# Altium PCB nPOC-BB_beta_main-board.PcbDoc (part 3 of 3) (continued)
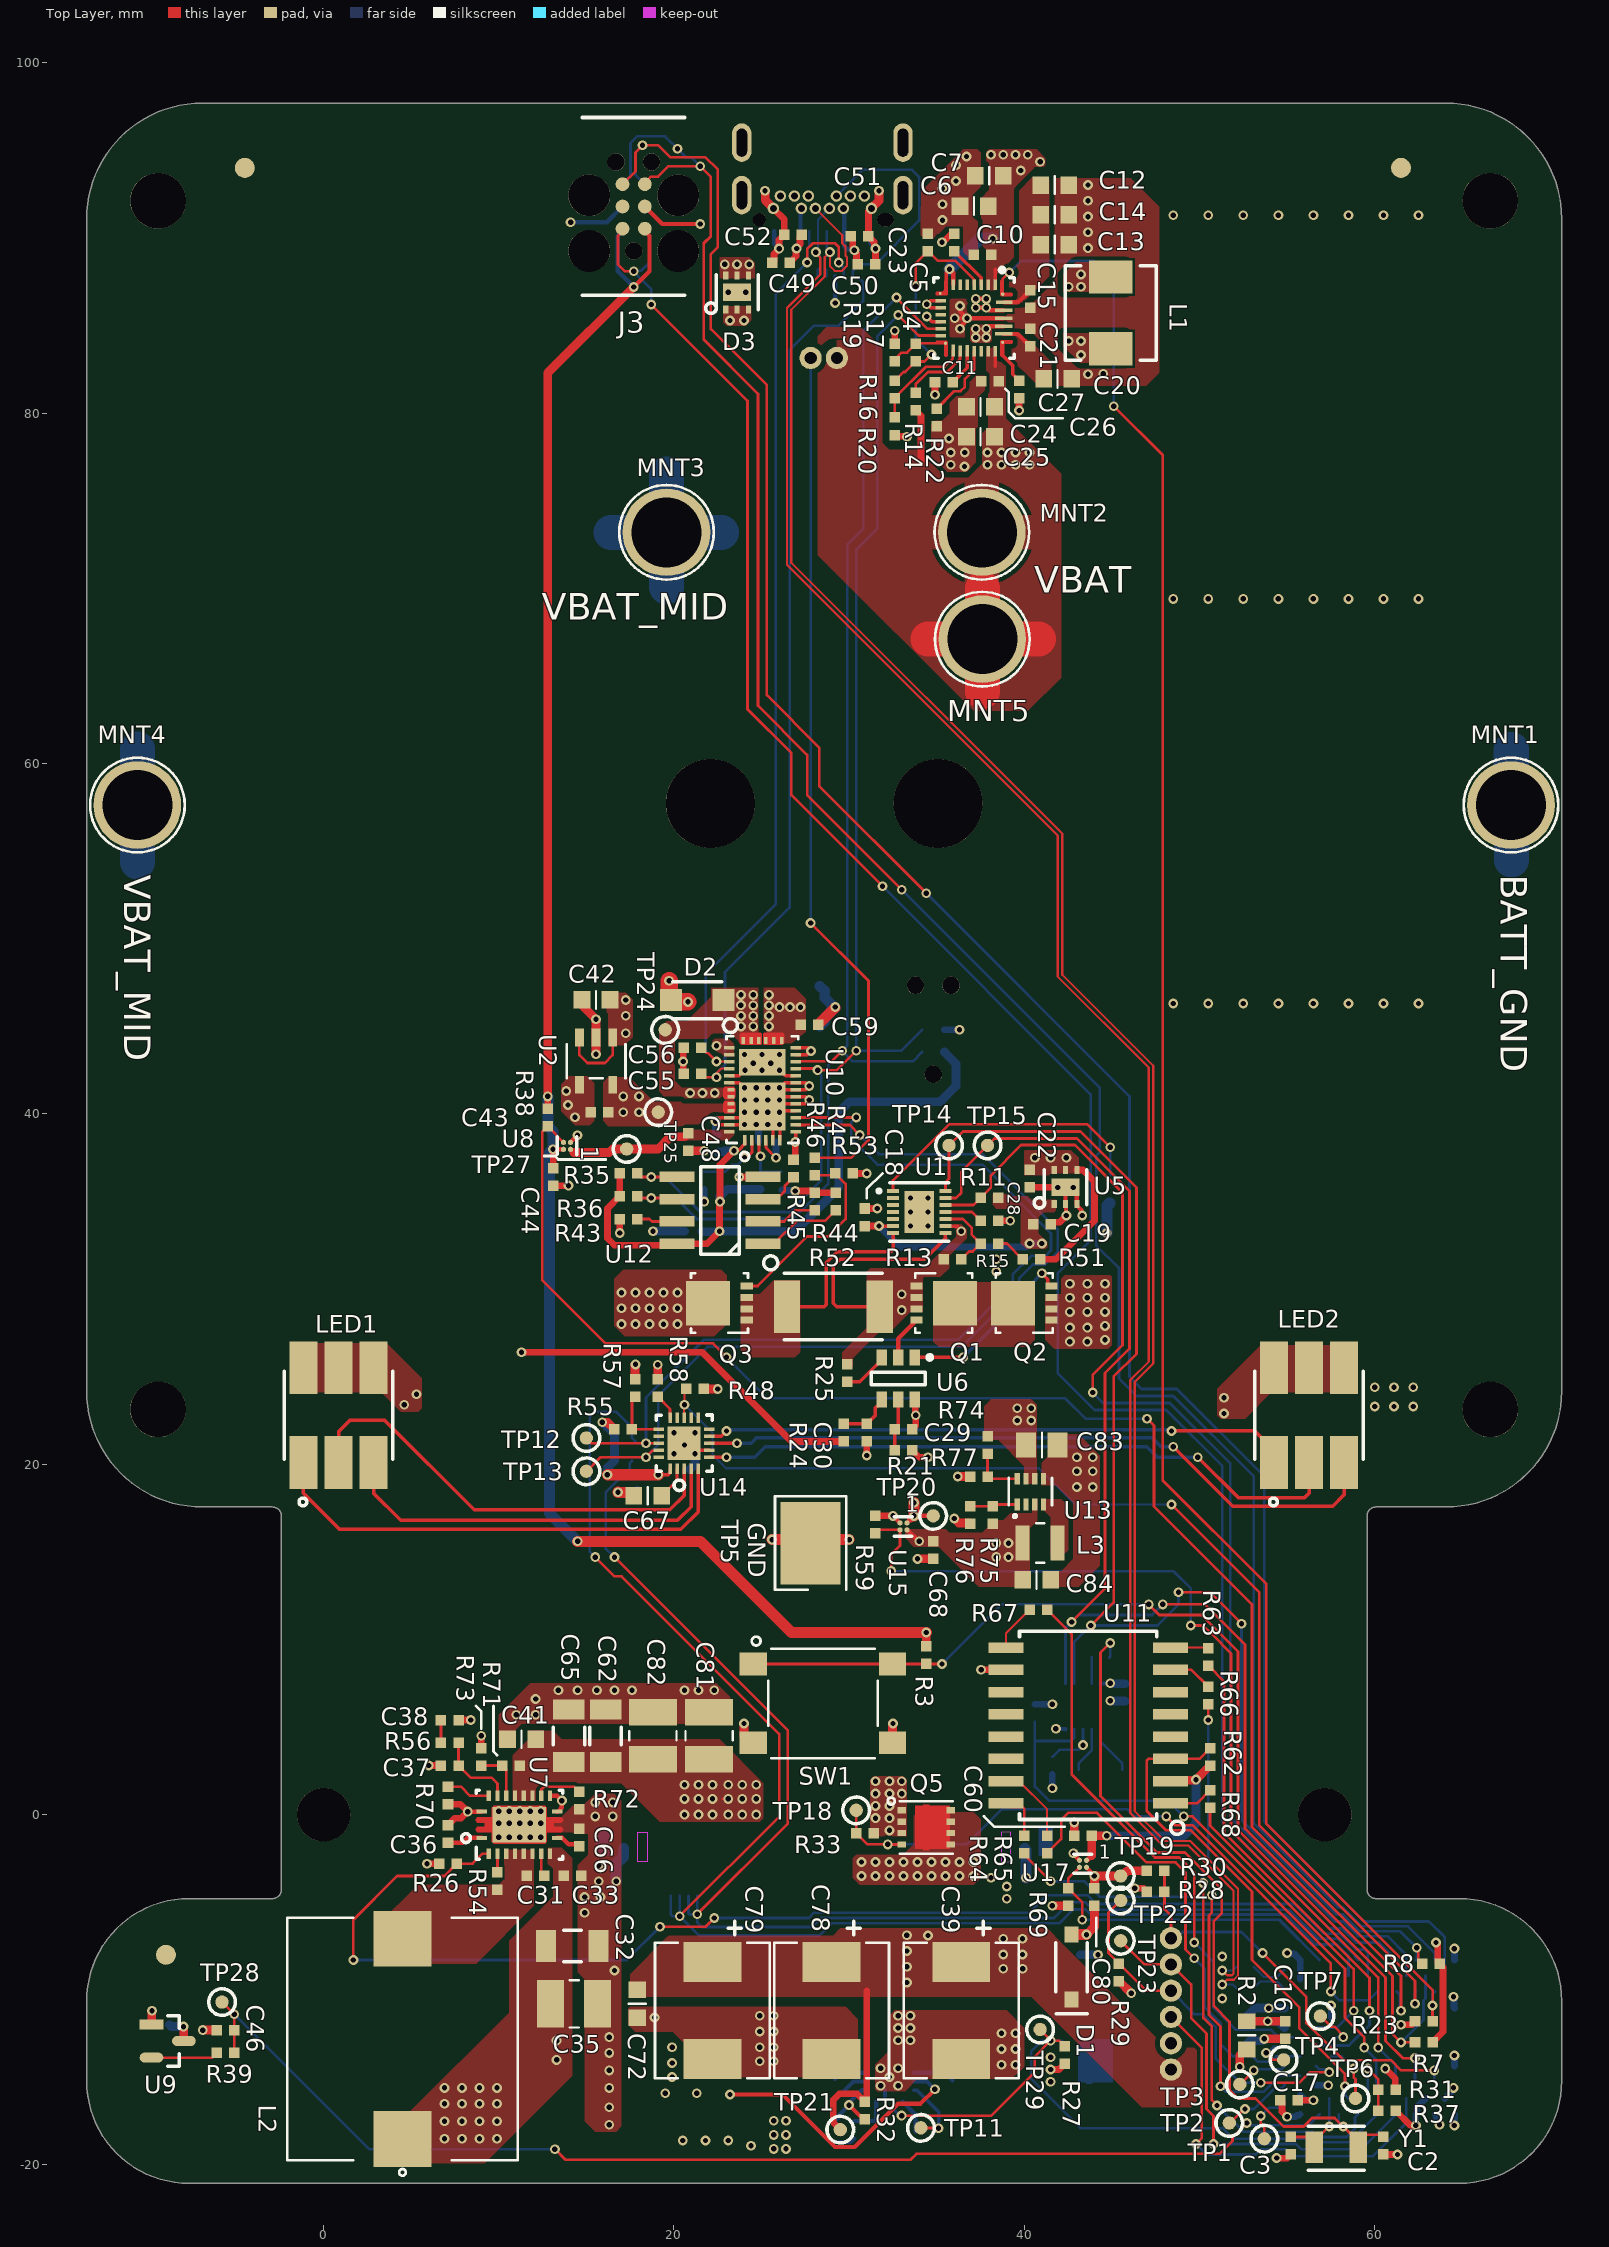
[diagram p0: Top Layer view]
## Nets (pads, with @x,y where several pads share a name; then routed paths per layer and width w, separated by ;. In a path a pad name is that pad's centre, name@x,y a point inside that pad or via, vN(x,y) a via of type N, cw(c..) or ccw(c..) an arc to the next point about the centre after c; other vN are vias at no path point) (continued)
  Bottom Layer w0.152: v1(22.423,42.095) 22.5,42.173 22.5,42.401 22.605,42.505 22.63,42.505 22.913,42.788 22.913,48.087 26.6,51.775 26.6,83.6 28,85 29.4,85 30.8,86.4 30.8,87.493 30.6,87.694 30.2,87.694 D4.5@30.2,87.794 30.2,88.094 30.6,88.494 31.5,88.494 34,90.994 34,93.494 33.6,93.894 30.77,93.894 J7.B5@29.27,92.394
USB_D_N: D4.2 J7.A7 J7.B7 R10.1 | length 122.4
  Top Layer w0.127: J7.B7@28.07,91.694 29.6,90.163 29.6,89.7 29.787,89.513 29.787,88.998 29.869,88.915 29.869,88.399 29.594,88.124 29.176,88.124 28.9,88.4 v1(28.9,89.194) 28.607,88.901 28.607,87.807 28.458,87.658 26.7,85.9 26.7,71.459 42.015,56.145 42.163,55.996 42.163,47.942 47.354,42.751 47.354,25.754 46.3,24.7 46.3,0.2 48.009,-1.509 49.469,-1.509 52.195,-4.236 52.195,-9.191 51.959,-9.427 51.573,-9.427 v1(51.3,-9.7)
  Bottom Layer w0.127: D4.2@28.7,87.819 28.7,88.194 28.597,88.297 28.597,88.891 v1(28.9,89.194) 28.72,89.374 J7.A7@28.72,90.384 ; v1(51.3,-9.7) 51.9,-9.7 R10.1@52.1,-9.9
USB_D_P: D4.1 J7.A6 J7.B6 R9.1 | length 117.5
  Top Layer w0.127: v1(28.1,89.194) 28.1,89.138 28.353,88.885 28.353,87.912 26.446,86.005 26.446,71.354 41.909,55.891 41.909,47.837 47.1,42.646 47.1,25.859 46.046,24.805 46.046,0.095 47.904,-1.763 49.363,-1.763 51.941,-4.341 51.941,-9.086 51.854,-9.173 51.573,-9.173 v1(51.3,-8.9)
  Bottom Layer w0.127: D4.1@28.2,87.819 28.2,88.194 28.343,88.337 28.343,88.951 v1(28.1,89.194) 28.22,89.314 J7.A6@28.22,90.384 28.22,91.044 J7.B6@28.87,91.694 ; v1(51.3,-8.9) 51.9,-8.9 R9.1@52.1,-8.7
USB_D_R_N: MD1.67 R10.2 | length 2.1
  Bottom Layer w0.127: R10.2@53.1,-9.9 53.473,-9.527 54.427,-9.527 MD1.67@54.85,-9.95
USB_D_R_P: MD1.68 R9.2 | length 2.2
  Bottom Layer w0.127: R9.2@53.1,-8.7 53.673,-9.273 54.427,-9.273 MD1.68@54.85,-8.85
VBAT: C22.2 C24.2 C25.2 C26.2 C32.2 C33.1 C34.1 C35.2 C69.2 C74.2 C83.2 C85.2 J9.1 L2.1 L4.1 MNT2.1 MNT5.1 R14.1 R21.1 R51.2 R74.2 U4.22 U4.23 U5.4 U5.5 U5.6 U7.9 U13.6 U13.7 U16.3 | length 53.7
  Top Layer w0.2: 38.331,82.685 U4.23@38.331,83.522
  Top Layer w0.24: v1(23.195,-15.98) 26.195,-15.98 29.195,-18.98 30.32,-18.98 32.8,-16.5 34.076,-16.5 v1(34.895,-15.68)
  Top Layer w0.381: v1@6.9,-15.7 v1(6.9,-15.6) ; R21.1@33.6,20.8 34,20.4 v1(34.5,20.4) ; R14.1@33.8,80.154 34.1,79.854 34.1,77.291 ; R51.2@40.9,31.7 41.8,31.7 44,33.9 44,36.15 43.35,36.8 U5.4@43,36.8
  Top Layer w2: 34.5,67.1 MNT5.1@37.6,67.1 ; MNT2.1@37.575,73.175 MNT2.1@37.575,73.2 ; 37.6,64.1 MNT5.1@37.6,67.1 ; 37.6,70 MNT5.1@37.6,67.1 ; 40.8,67.1 MNT5.1@37.6,67.1
  Layer 3 w2: 34.3,67.1 MNT5.1@37.6,67.1 ; MNT2.1@37.395,73.2 MNT2.1@37.395,73.305 ; 37.6,63.9 MNT5.1@37.6,67.1 ; 37.6,70.4 MNT5.1@37.6,67.1 ; 40.9,67.1 MNT5.1@37.6,67.1
  Bottom Layer w0.24: U16.3@33.695,-15.23 34.445,-15.23 v1(34.895,-15.68)
  Bottom Layer w0.381: v1(13.3,-12.9) v1@13.3,-12.8
  other v1: 6.9,-18.5 7.9,-18.5 8.9,-18.5 9.9,-18.5 6.9,-17.5 7.9,-17.5 8.9,-17.5 9.9,-17.5 6.9,-16.5 7.9,-16.5 8.9,-16.5 9.9,-16.5 19.5,-15.9 21.3,-15.9 7.9,-15.6 8.9,-15.6 9.9,-15.6 19.895,-14.98 19.895,-14.18 13.3,-14 19.895,-13.28 39.6,22.5 40.4,22.5 39.6,23.2 40.4,23.2 40.6,37.5 41.5,37.5 42.4,37.5 37.9,77.054 38.7,77.054 39.5,77.054 40.3,77.054 37.9,77.754 38.7,77.754 39.5,77.754 40.3,77.754
VBAT_MID: MNT3.1 MNT4.1 R24.1 SC4.1 SC5.1 SC6.1 | length 39.7
  Top Layer w0.381: v1(11.3,26.4) 21.6,26.4 26.7,21.3 R24.1@29.7,21.3
  Bottom Layer w2: -10.63,54.37 MNT4.1@-10.63,57.63 -10.63,60.83 ; 16.4,73.2 MNT3.1@19.575,73.2 ; 19.575,70.075 MNT3.1@19.575,73.2 ; 19.575,76.525 MNT3.1@19.575,73.2 ; 22.7,73.2 MNT3.1@19.575,73.2
VBUS: C42.2 C49.2 C50.2 C51.2 C52.2 D2.K D3.4 D3.5 D3.6 J7.A4 J7.A9 J7.B4 J7.B9 TP24.1 U2.1 U2.3 U10.23 U10.24 U10.25 U10.32 U10.33 | length 13.2
  Top Layer w0.152: U2.3@14.601,44.359 14.601,43.356 15.051,42.906 16.051,42.906 16.501,43.356 U2.1@16.501,44.359
  Top Layer w0.381: C49.2@26.6,88.594 26.966,88.96 26.966,89.366 v1(27,89.4) 27,89.448 27.19,89.638 27.19,90.084 C52.2@27.3,90.194 ; C51.2@30.1,90.094 30.209,89.984 30.209,89.439 30.3,89.348 30.3,89.252 30.414,89.138 30.414,88.586 C50.2@30.5,88.5
  Bottom Layer w0.25: v1(27,89.4) 27,89.484 27.195,89.678 27.195,90.359 J7.A4@27.22,90.384 27.22,91.644 J7.B9@27.27,91.694 ; J7.B4@29.67,91.694 29.72,91.644 J7.A9@29.72,90.384 29.72,89.523 29.883,89.359 30.241,89.359 v1(30.3,89.3)
  other v1: 20.922,41.195 21.622,41.195 22.322,41.195 17.251,44.606 23.822,44.995 24.522,44.995 17.251,45.606 23.822,45.595 24.522,45.595 24.522,46.195 23.819,46.211 17.251,46.506 23.822,46.795 24.522,46.795 22.9,88.494 23.6,88.494 24.3,88.494
VBUS_DETECT: MD1.10 R31.1 R37.2 | length 4.3
  Top Layer w0.152: v1(59.6,-14.5) 60.2,-15.1 R31.1@60.2,-15.7 R37.2@60.2,-16.9
  Bottom Layer w0.152: MD1.10@59.6,-16.2 v1(59.6,-14.5)
VCC_MOTOR: C39.1 C40.2 C70.2 C71.2 C72.2 C78.1 C79.1 D1.K D7.K J1.6 R32.2 TP21.1 | length 10.6
  Top Layer w0.381: TP21.1@29.495,-17.98 29.495,-17.967 29.095,-17.567 29.095,-16.28 29.445,-15.93 30.445,-15.93 R32.2@30.895,-16.38 31.005,-16.271 31.005,-10.072 ; v1(38.795,-7.98) v1@38.795,-7.88 ; v1(39.895,-7.98) v1@39.895,-7.88
  other v1: 33.295,-9.58 38.8,-8.8 39.9,-8.8 33.295,-8.68 33.295,-7.78 38.795,-7.08 39.895,-7.08 34.5,-6.9 33.295,-6.88
VSYS: C20.2 C21.2 U4.25 | length 1.8
  Top Layer w0.25: U4.25@38.831,84.522 39.631,84.522 C21.2@40.331,83.822
WP: R43.2 U12.7 | length 2.3
  Top Layer w0.152: R43.2@17.9,34 18.607,34 18.747,33.86 U12.7@20.172,33.86
XTAL1: C3.2 MD1.14 Y1.2 | length 4.9
  Top Layer w0.152: C3.2@55.2,-18.4 56.126,-18.4 56.55,-18.824 Y1.2@56.55,-19 56.55,-18.6 56.974,-18.176 57.024,-18.176 v1(57.4,-17.8)
  Bottom Layer w0.152: v1(57.4,-17.8) MD1.14@57.4,-16.2
pads on no net: D4.6 D4.7 D4.9 D4.10 J3.4 J3.11 J3.12 J3.15 J3.16 J3.mh1 J3.mh2 J3.mh3 J4.4 J4.11 J4.12 J4.15 J4.16 J4.mh1 J4.mh2 J4.mh3 J7.17 J7.18 J7.A2 J7.A3 J7.A8 J7.A10 J7.A11 J7.B2 J7.B3 J7.B8 J7.B10 J7.B11 J8.5 J8.6 J8.mh1 J8.mh2 J8.mh3 MD1.8 MD1.25 MD1.26 MD1.27 MD1.28 MD1.32 MD1.33 MD1.37 MD1.38 MD1.52 MD1.56 U1.2 U1.3 U1.4 U1.5 U3.8 U3.11 U4.6 U4.7 U4.12 U4.21 U11.4 U11.5 U11.6 U11.11 U11.12 U11.13 U11.14 U13.2 U14.10 U14.11 U14.12 U14.14 U14.17 U14.20

## Polygon pours and split planes (outlines as drawn)
VBAT on Top Layer "NONET_L-01_P-001" (solid, remove dead copper, pour order 239): 14.2,-14.9 9.2,-19.9 3,-19.9 3,-17 4.9,-17 10.6,-11.3 10.6,-7.2 13.1,-4.7 13.1,-3.1 12.8,-2.8 12.8,-1.9 13.6,-1.9 14.2,-2.5
GND on Top Layer "NONET_L-01_P-001" (solid, remove dead copper, pour order 118): 33.3,-1.229 31.2,-1.229 31.2,2 31.4,2.2 33.1,2.2 33.3,2
VBAT on Top Layer "NONET_L-01_P-001" (solid, remove dead copper, pour order 223): 43.1,36.6 41.5,36.6 41.4,36.5 40,36.5 40,37.9 40.1,38 42.6,38 43.1,37.5
3V3_FG_RTC on Top Layer "NONET_L-01_P-001" (solid, remove dead copper, pour order 224): 40.8,33.2 41.3,32.7 41.3,32.4 41.2,32.3 40.1,32.3 39.8,32.6 39.8,34.5 39.7,34.6 38.4,34.6 38.2,34.8 38.2,35.4 39.2,35.4 39.3,35.3 40.2,35.3 40.4,35.1 41.8,35.1 41.8,34.5 41.7,34.4 41.1,34.4 40.8,34.1
BATT_GND on Top Layer "NONET_L-01_P-001" (solid, remove dead copper, pour order 244): 43.2,30.8 42.3,30.8 42.1,30.6 42.1,29.7 41.2,29.7 41.2,27.1 41.7,26.6 44.8,26.6 45,26.8 45,30.7 44.9,30.8
GND on Top Layer "NONET_L-01_P-001" (solid, remove dead copper, pour order 218): 23,28 22.3,27.3 17.2,27.3 16.6,27.9 16.6,30.6 17.1,31.1 22.7,31.1 23,30.8
GND on Top Layer "NONET_L-01_P-001" (solid, remove dead copper, pour order 243): 11.8,7.5 10,5.7 10,3.9 10.9,3.9 10.9,4.8 11.3,5.2 23.2,5.2 23.2,6.7 22.4,7.5
GND on Top Layer "NONET_L-01_P-001" (solid, remove dead copper, pour order 241): 17,0.2 17,0.8 16.6,1.2 15.5,1.2 14.8,0.5 14.227,0.5 13.574,-0.153 12.749,-0.153 12.749,-1.003 12.752,-1 14.2,-1 14.3,-1.1 15.1,-1.1 15.1,-2.3 14.4,-3 14.4,-8.9 14.9,-9.4 14.9,-17.5 15.5,-18.1 16.7,-18.1 17,-17.8
HEATER_PWR on Top Layer "NONET_L-01_P-001" (solid, remove dead copper, pour order 212): 11.7,4.8 11.7,4.3 10.8,3.4 10.8,0.8 12.1,0.8 12.1,1.5 12.4,1.8 17,1.8 19.2,-0.4 24.9,-0.4 25.1,-0.2 25.1,1.8 22.6,4.3 13.6,4.3 13.1,4.8
HTR_SW on Top Layer "NONET_L-01_P-001" (solid, remove dead copper, pour order 237): 10.3,-2 10.3,-3.7 10,-4 5.4,-4 3.1,-6.3 3.1,-8.5 8.7,-8.5 12,-5.2 12,-2.7 12,-2
3V3_SW on Top Layer "NONET_L-01_P-001" (solid, remove dead copper, pour order 236): -1.9,26.9 3.6,26.9 5.6,24.9 5.6,23.2 5.4,23 4.4,23 3.3,24.1 -1.9,24.1
3V3_SW on Top Layer "NONET_L-01_P-001" (solid, remove dead copper, pour order 232): 51,24.3 53.5,26.8 58.8,26.8 58.8,24.1 54.1,24.1 52.6,22.6 51.2,22.6 51,22.8
VBAT on Top Layer "NONET_L-01_P-001" (solid, remove dead copper, pour order 217): 38.1,23.7 40.4,23.7 40.7,23.4 40.7,18.9 40,18.9 40,19.9 38.5,21.4 37.7,21.4 37.7,23.3
VBAT on Top Layer "NONET_L-01_P-001" (solid, remove dead copper, pour order 202): 35.5,76.3 33.9,77.9 32.3,77.9 31.9,78.3 31.9,83.7 30.7,84.9 28.7,84.9 28.2,84.4 28.2,71.9 37.1,63 40.2,63 42.1,64.9 42.1,76.553 38.931,79.722 38.931,82.672 38.431,83.172 38.431,83.872 37.831,83.872 37.831,82.422 38.031,82.222 38.031,81.472 37.931,81.372 37.931,79.185 37.6,78.854 37.6,77.1 36.8,76.3
GND_SNS_N on Top Layer "NONET_L-01_P-001" (solid, remove dead copper, pour order 220): 34.3,31.2 36.1,33 36.1,33.4 36,33.5 36,33.7 36.5,33.7 36.7,33.5 36.7,32.9 35.7,31.9 35.7,31.2 35.2,30.7 34.3,30.7 34.2,30.6 34.2,28.7 33.5,28.7 32.3,27.5 31.65,27.5 30.2,26.05 30.2,25.6 29.6,25.6 29.6,26.4 31,27.8 31,31 31.2,31.2
GND_CHG_DSG on Top Layer "NONET_L-01_P-001" (solid, remove dead copper, pour order 221): 34.827,27.898 34.8,27.871 34.8,27 35.1,26.7 40.2,26.7 40.6,27.1 40.6,30.4 34.827,30.4
GND_SNS_P on Top Layer "NONET_L-01_P-001" (solid, remove dead copper, pour order 219): 27.2,26.4 26.9,26.1 24.2,26.1 23.8,26.5 23.8,29.7 24.9,29.7 25.7,30.5 27.2,30.5 27.2,27.6
3V3 on Top Layer "NONET_L-01_P-001" (solid, remove dead copper, pour order 215): 33.2,16.1 33.2,16.3 35.5,16.3 35.7,16.1 37.6,16.1 38,16.5 38,16.8 38.8,16.8 39.2,17.2 40.45,17.2 40.45,18 40.75,18 40.75,16.785 40.3,16.335 40.3,13 37.4,13 35.1,15.3 33.7,15.3 33.2,15.8
GND on Top Layer "NONET_L-01_P-001" (solid, remove dead copper, pour order 216): 41.1,13 43.1,13 44.3,14.2 44.3,20.5 43.1,21.7 41.5,21.7 41.5,20.6 41,20.1 41,18.8 41.8,18.8 42.8,17.8 42.8,14.6 42.1,13.9 41.1,13.9
3V3_L on Top Layer "NONET_L-01_P-001" (solid, remove dead copper, pour order 214): 41.5,14.8 41.5,16.98 41.1,17.38 41.1,18 42.1,18 42.5,17.6 42.5,15.1 42.2,14.8
BQ_IN on Top Layer "NONET_L-01_P-001" (solid, pour order 130): 26.9,47.2 27.523,46.578 27.523,46.095 27.523,44.699 26.722,44.033 26.715,44.025 26.58,44.025 26.072,44.025 25.122,44.025 25.122,47.2
GND on Top Layer "NONET_L-01_P-001" (solid, remove dead copper, pour order 120): 13.551,41.706 14.001,42.156 14.301,42.156 15.051,42.156 15.451,41.756 15.451,39.606 15.201,39.356 14.901,39.356 14.351,39.356 13.551,40.156
VBUS on Top Layer "NONET_L-01_P-001" (solid, remove dead copper, pour order 115): 17.634,46.523 17.634,44.39 17.151,43.906 16.251,43.906 16.251,45.706 16.151,45.806 16.151,46.906 17.251,46.906
GND on Top Layer "NONET_L-01_P-001" (solid, pour order 104): 23.422,43.295 23.422,43.995 23.122,44.295 22.322,44.295 22.222,44.195 22.222,43.795 22.722,43.295
3V3_PD on Top Layer "NONET_L-01_P-001" (solid, pour order 105): 20.722,39.095 20.522,38.895 20.522,38.495 23.122,38.495 23.422,38.795 23.422,39.095 22.022,39.095
VBUS on Top Layer "NONET_L-01_P-001" (solid, pour order 108): 20.622,41.495 20.522,41.395 20.522,40.995 20.623,40.895 23.456,40.895 23.499,40.938 23.499,41.438 23.399,41.538 23.356,41.495
5V on Top Layer "NONET_L-01_P-001" (solid, pour order 109): 20.622,40.695 20.618,40.7 18.857,40.7 17.451,42.106 16.251,42.106 15.951,41.806 15.951,39.606 16.257,39.3 21.3,39.3 22.038,40.038 23.399,40.038 23.499,40.138 23.499,40.695 22.008,40.695
VBUS on Top Layer "NONET_L-01_P-001" (solid, pour order 139): 22.122,47.2 22.122,46.695 20.715,45.288 19.599,45.288 19.148,44.836 19.148,41.288 19.548,40.888 20.449,40.888 21.049,40.888 21.049,41.488 20.449,41.488 20.049,41.888 20.049,44.188 20.149,44.288 23.494,44.288 23.718,44.08 24.849,44.08 24.849,47.2
GND on Top Layer "NONET_L-01_P-001" (solid, remove dead copper, pour order 206): 47.7,91.784 46.1,93.385 46.1,93.422 41.831,93.422 41.731,93.322 41.731,87.522 40.531,86.322 40.131,86.322 39.831,86.022 37.831,86.022 37.331,86.522 35.731,86.522 35.731,84.322 37.231,84.322 37.731,84.822 40.231,84.822 41.831,83.222 41.831,81.554 46.954,81.554 47.7,82.3
BQ_IN on Top Layer "NONET_L-01_P-001" (solid, remove dead copper, pour order 205): 40.5,93.954 40.6,94.054 41.1,94.054 41.2,94.154 41.2,94.554 40.7,95.054 38,95.054 37.831,94.885 37.831,94.422 38,94.254 38,94.154 38,92.741 37.531,92.272 37.531,89.622 37.831,89.322 37.831,87.022 38.431,87.022 38.431,87.922 39.5,88.991 39.5,92.954
GND on Top Layer "NONET_L-01_P-001" (solid, remove dead copper, pour order 204): 34.1,90.154 34.253,90 34.853,90 35.534,90.681 36.427,90.681 36.5,90.608 36.5,89.054 36.8,88.754 37.331,88.754 37.331,90.922 37.031,91.222 37.031,92.454 37.5,92.922 37.5,94.854 37.3,95.054 36.5,95.054 36.368,94.922 34.1,92.654
PMID on Top Layer "NONET_L-01_P-001" (solid, remove dead copper, pour order 203): 41.431,93.322 41.3,93.454 40.462,93.454 39.709,92.701 39.709,88.601 38.856,87.747 38.856,86.322 39.931,86.322 41.431,87.822
GND on Top Layer "NONET_L-01_P-001" (solid, remove dead copper, pour order 201): 37.231,77.185 36.7,76.654 35.6,76.654 34.7,77.554 34.7,79.354 34.9,79.554 35.3,79.554 35.731,79.985 35.731,80.622 37.231,82.122 37.731,82.122 37.731,81.322 37.331,80.922 37.331,79.222 37.231,79.122
SW1 on Top Layer "NONET_L-01_P-001" (solid, remove dead copper, pour order 200): 45.824,86.922 42.224,86.922 42.224,87.922 42.924,88.622 45.824,88.622
SW2 on Top Layer "NONET_L-01_P-001" (solid, remove dead copper, pour order 199): 45.781,82.872 43.181,82.872 42.231,83.822 42.231,84.572 45.781,84.572
VSYS on Top Layer "NONET_L-01_P-001" (solid, remove dead copper, pour order 198): 39.281,83.072 40.8,81.554 41.531,81.554 41.531,82.922 40.331,84.122 40.031,84.122 39.631,84.522 39.331,84.522 39.281,84.572
SW2 on Top Layer "NONET_L-01_P-001" (solid, remove dead copper, pour order 197): 36.906,84.022 38.031,84.022 38.131,84.122 38.131,85.053 36.906,85.053
VCC_MOTOR on Top Layer "NONET_L-01_P-001" (solid, remove dead copper, pour order 146): 29.5,-6.5 29.1,-6.9 19.7,-6.9 19.6,-7 17.5,-9.1 17.5,-10.4 40.4,-10.4 46.7,-16.7 49.5,-16.7 50.1,-16.1 50.1,-13.7 49.7,-13.3 48.1,-13.3 41.3,-6.5
GND on Top Layer "NONET_L-01_P-001" (solid, remove dead copper, pour order 141): 29.795,-10.98 17.495,-10.98 17.395,-11.08 17.395,-11.98 17.795,-12.38 19.938,-12.38 20.795,-13.237 20.795,-14.195 21.581,-14.98 29.595,-14.98 30.495,-14.08 30.495,-11.68
GND on Top Layer "NONET_L-01_P-001" (solid, remove dead copper, pour order 142): 38.995,-11.18 39.995,-12.18 39.995,-14.38 39.295,-15.08 33.895,-15.08 33.195,-15.78 31.595,-15.78 31.495,-15.68 31.495,-14.28 32.295,-13.48 32.295,-11.48 32.595,-11.18 33.595,-11.18
GND on Top Layer "NONET_L-01_P-001" (solid, remove dead copper, pour order 107): 23,84.994 22.8,85.194 22.8,85.494 22.8,85.994 22.8,86.094 24.4,86.094 24.4,85.294 24.1,84.994
VBUS on Top Layer "NONET_L-01_P-001" (solid, remove dead copper, pour order 110): 22.6,87.694 22.6,88.894 24.3,88.894 24.6,88.594 24.6,87.694
HEATER_CATHODE on Top Layer "NONET_L-01_P-001" (solid, remove dead copper, pour order 134): 33.1,-2.3 32,-2.3 30.4,-2.3 30.2,-2.5 30.2,-3.6 30.6,-4 37.1,-4 37.5,-3.6 37.5,-0.254 37.1,0.146 33.9,0.146 33.7,-0.054 33.7,-1.391 33.7,-1.7
5V on Bottom Layer "NONET_L-01_P-001" (solid, remove dead copper, pour order 235): 38.8,30.5 38.6,30.3 15.8,30.3 15.1,31 15.1,39.9 16.8,41.6 18.4,41.6 18.4,33 19.3,32.1 38.5,32.1 38.8,31.8
HEATER_PWR on Bottom Layer "NONET_L-01_P-001" (solid, remove dead copper, pour order 211): 20.6,2.1 20.3,1.8 20.3,-0.5 21.7,-1.9 21.7,-5.2 29.4,-5.2 29.4,-2.6 24.7,2.1
HEATER_CATHODE on Bottom Layer "NONET_L-01_P-001" (solid, remove dead copper, pour order 168): 37.4,-2.4 37.3,-2.3 32.9,-2.3 30,-2.3 29.7,-2.6 29.7,-5.2 37.4,-5.2
GND on Bottom Layer "NONET_L-01_P-001" (solid, remove dead copper, pour order 242): 14.5,-18.9 16.5,-18.9 16.8,-18.6 16.8,-16.4 16.7,-16.3 14.5,-16.3 14.2,-16.6 14.2,-18.6 14.3,-18.7
VBAT on Bottom Layer "NONET_L-01_P-001" (solid, remove dead copper, pour order 240): 15.3,-12.1 12.6,-12.1 12.4,-12.3 12.4,-14.6 12.6,-14.8 15.3,-14.8
3V3_SW on Bottom Layer "NONET_L-01_P-001" (solid, remove dead copper, pour order 233): -10.1,-12.2 -9.6,-12.2 -9.6,-11.8 -9.3,-11.5 -6.3,-11.5 -2.5,-7.7 17,-7.7 19.5,-5.2 19.5,-3.9 20,-3.4 20,10.8 20.1,10.9 25.9,16.7 34.1,16.7 34.3,16.9 34.3,18.7 33.8,19.2 20.2,19.2 20.2,20 20.1,19.9 19,19.9 18.6,19.5 18.6,15.7 17,14.1 13.6,14.1 7.5,20.2 7.5,23.5 6.6,24.4 4.6,24.4 4.2,24 4.2,18.9 11.7,11.4 14.1,11.4 18.2,7.3 18.2,-0.3 18.8,-0.9 18.8,-2.773 18.2,-3.373 15.473,-6.1 -3.4,-6.1 -7.4,-10.1 -9.8,-10.1 -10.3,-10.6 -10.3,-12
VBAT_MID on Bottom Layer "NONET_L-01_P-001" (solid, remove dead copper, pour order 228): -7.539,65.39 -12.039,60.89 -12.039,53.39 -7.539,48.89 -7.539,25.79 11.161,25.79 11.561,26.19 11.561,27.79 9.96,29.39 9.96,55.89 23.9,69.829 23.9,78.3 10.51,91.69 -6.939,91.69 -7.539,91.09
BATT_GND on Bottom Layer "NONET_L-01_P-001" (solid, remove dead copper, pour order 225): 64.7,68.8 69,64.5 69,53.5 64.7,49.2 64.7,25.3 61.9,22.5 55.7,22.5 52.4,25.8 47.2,25.8 47.2,91.1 47.8,91.7 63.8,91.7 64.7,90.8
GND on Bottom Layer "NONET_L-01_P-001" (solid, remove dead copper, pour order 213): 37.7,-5.2 39,-5.2 39.3,-4.9 39.3,-4 38.6,-3.3 38,-3.3 37.7,-3.6
VBAT on Bottom Layer "NONET_L-01_P-001" (solid, remove dead copper, pour order 178): 24.295,-8.08 24.295,-14.38 25.095,-15.18 25.095,-16.38 20.295,-16.38 19.38,-16.38 19.1,-16.1 19.1,-13.376 21.995,-10.48 21.995,-8.08
MOTOR_CATHODE on Bottom Layer "NONET_L-01_P-001" (solid, remove dead copper, pour order 174): 49.7,-11.977 49.7,-15.6 48.8,-16.5 43.125,-16.5 43.125,-11.977
VCC_MOTOR on Bottom Layer "NONET_L-01_P-001" (solid, remove dead copper, pour order 179): 41.038,-6.52 41.723,-7.205 41.723,-8.72 39.843,-10.6 32.118,-10.6 30.123,-8.605 30.123,-6.52
VBUS on Bottom Layer "NONET_L-01_P-001" (solid, pour order 160): 24.822,47.108 24.548,47.382 23.747,47.382 23.447,47.082 23.448,44.857 23.822,44.483 24.822,44.483
DRAIN on Bottom Layer "NONET_L-01_P-001" (solid, pour order 162): 23.722,42.295 23.822,42.195 26.222,42.195 26.322,42.295 26.322,43.595 26.222,43.695 23.822,43.695 23.722,43.595
GND on Bottom Layer "NONET_L-01_P-001" (solid, pour order 163): 23.822,41.895 26.222,41.895 26.322,41.795 26.322,39.395 26.122,39.195 23.922,39.195 23.722,39.395 23.722,41.795
BQ_IN on Bottom Layer "NONET_L-01_P-001" (solid, pour order 166): 27.523,44.295 25.522,44.295 25.122,44.695 25.122,47.095 25.922,47.895 27.523,47.895
SW1 on Bottom Layer "NONET_L-01_P-001" (solid, remove dead copper, pour order 210): 36.937,86.239 36.522,86.654 35.4,86.654 34.4,87.654 34.4,89.454 35,90.054 35.4,90.054 35.7,89.754 35.7,89.454 35.2,88.954 35.2,87.854 35.464,87.589 40.737,87.589 41.337,88.189 43.437,88.189 43.537,88.089 43.537,86.589 42.637,85.689 36.937,85.689
SW2 on Bottom Layer "NONET_L-01_P-001" (solid, remove dead copper, pour order 209): 37.735,83.289 35.1,80.654 34.6,80.654 34.4,80.854 34.4,81.654 36.1,83.354 36.1,83.702 36.937,84.539 36.937,85.089 42.737,85.089 43.537,84.289 43.537,83.089 43.337,82.889 42.037,82.889 41.637,83.289
GND on Bottom Layer "NONET_L-01_P-001" (solid, remove dead copper, pour order 208): 37,92.454 37.5,92.954 37.5,94.954 37.4,95.054 36.5,95.054 34.9,93.454 34.9,90.554 36.4,90.554 37,91.154
BQ_IN on Bottom Layer "NONET_L-01_P-001" (solid, remove dead copper, pour order 207): 37.8,94.454 38,94.254 38,92.754 37.5,92.254 37.5,91.354 38.8,91.354 39.4,91.954 39.4,92.854 40.6,94.054 41.1,94.054 41.2,94.154 41.2,94.654 40.8,95.054 38,95.054 37.8,94.854
GND on Bottom Layer "NONET_L-01_P-001" (solid, remove dead copper, pour order 176): 36.695,-14.38 37.095,-14.78 37.095,-15.58 37.895,-15.58 38.795,-15.58 39.995,-14.38 39.995,-12.18 38.995,-11.18 34.395,-11.18 32.695,-11.18 32.495,-11.38 32.495,-13.08 32.395,-13.18 32.395,-13.88 33.395,-13.88 33.395,-14.38
GND on Bottom Layer "NONET_L-01_P-001" (solid, remove dead copper, pour order 159): 42.3,-15.554 42.5,-15.354 42.5,-13.554 41.1,-13.554 41,-13.654 41,-15.154 41.4,-15.554
GND on Bottom Layer "NONET_L-01_P-001" (solid, remove dead copper, pour order 169): 20,-17.08 20,-18.8 20.68,-19.48 26.395,-19.48 26.695,-19.18 26.695,-17.28 26.495,-17.08
GND on Bottom Layer "NONET_L-01_P-001" (solid, remove dead copper, pour order 171): 31.899,-15.759 31.899,-17.901 30.591,-19.209 28.699,-19.209 28.499,-19.009 28.499,-14.809 27.699,-14.809 27.399,-15.109 27.399,-19.509 27.899,-20.009 32.099,-20.009 33.099,-19.009 33.099,-17.909 32.199,-17.009 32.199,-15.759
MS_SW on Bottom Layer "NONET_L-01_P-001" (solid, remove dead copper, pour order 177): 31.595,-10.78 28.895,-8.08 26.595,-8.08 26.595,-10.88 26.595,-14.18 26.795,-14.38 31.195,-14.38 31.195,-13.88 32.195,-13.88 32.195,-10.78
GND_SNS_N on Layer 2 "NONET_L-01_P-001" (solid, remove dead copper, pour order 245): 30.606,32.7 30.6,32.694 30.6,28.4 34.2,28.4 34.2,32.7 45.1,32.7 45.1,33.5 42.1,33.5 41.3,34.3 41.3,35.6 30.6,35.6 30.6,32.7
BATT_GND on Layer 2 "NONET_L-01_P-001" (solid, remove dead copper, pour order 227): 34.5,32.4 34.5,28.1 30.6,28.1 30.6,19.8 33.4,19.8 35.1,21.5 46.326,21.5 46.326,10.2 40.7,10.2 40.7,3.6 68.1,3.6 75.1,10.6 75.1,100.4 46.6,100.4 46.226,100.026 46.333,37.6 46.333,37.3 30.6,37.3 30.6,35.9 41.6,35.9 41.6,34.4 42.2,33.8 45.4,33.8 45.4,32.4
GND on Layer 2 "NONET_L-01_P-001" (solid, remove dead copper, pour order 149): 46,37.6 30.3,37.6 30.3,19.5 33.6,19.5 35.3,21.2 46,21.2 46,10.5 40.4,10.5 40.4,3.3 64.833,3.3 64.833,-23.8 -15.695,-23.8 -15.695,13.453 -16.114,101.3 46,101.3
VBUS on Layer 3 "NONET_L-01_P-001" (solid, remove dead copper, pour order 152): 24.8,48.1 22.2,50.7 17.9,50.7 16,52.6 16,68.7 24.8,77.5 24.8,81.5 30.65,87.35 30.65,98.8 5.2,98.8 5.2,39.5 24.8,39.5
5V on Layer 3 "NONET_L-01_P-001" (solid, remove dead copper, pour order 234): 38.1,25.5 38.1,32.1 39.7,32.1 39.7,28.6 53.6,28.6 53.6,14 41,14 41,5.7 43.9,2.8 53.8,2.8 53.8,-8.7 60.9,-8.7 60.9,-14.8 54.8,-14.8 54.8,-11.3 51.5,-11.3 51.5,0.2 43.8,0.2 39.8,4.2 39.8,15.9 52.1,15.9 52.1,25.5
VBAT on Layer 3 "NONET_L-01_P-001" (solid, remove dead copper, pour order 229): 32.9,49.2 24.2,40.5 24.2,39.2 -14.9,39.2 -14.9,-21.9 23.6,-21.9 23.6,19.9 45.8,19.9 45.8,25.2 37.8,25.2 37.8,32.4 39.7,32.4 39.7,34.1 51.3,34.1 51.3,78.7 34.8,78.7 32.9,76.8
3V3_SW on Layer 3 "NONET_L-01_P-001" (solid, remove dead copper, pour order 231): 23.9,16.2 51.8,16.2 51.8,25.2 46.1,25.2 46.1,19.6 23.9,19.6
3V3_FG_RTC on Layer 3 "NONET_L-01_P-001" (solid, remove dead copper, pour order 230): 64.833,16 59.2,16 59.2,33.8 40,33.8 40,28.9 53.9,28.9 53.9,13.7 41.3,13.7 41.3,6 44.2,3.1 54.1,3.1 54.1,-8.4 64.833,-8.4
BQ_IN on Layer 3 "NONET_L-01_P-001" (solid, remove dead copper, pour order 153): 25.1,48.3 22.4,51 18.1,51 16.3,52.8 16.3,68.5 25.1,77.3 25.1,81.3 31,87.2 31,99.2 46,99.2 47,98.2 47,79 34.6,79 32.6,77 32.6,49.5 27.6,44.5 25.1,44.5
3V3 on Layer 3 "NONET_L-01_P-001" (solid, remove dead copper, pour order 157): 39.5,4.1 43.7,-0.1 51.2,-0.1 51.2,-11.6 54.6,-11.6 54.6,-14.895 54.6,-15.1 61.2,-15.1 61.2,-8.7 64.833,-8.7 64.833,-22.296 23.9,-22.296 23.9,15.9 39.5,15.9

## Other copper
Top Layer:
  text "PRIMARY SIDE - LAYER 1" at -1.52,-46.437 h2.54
Layer 2:
  text "INNER LAYER 2" at -1.559,-46.496 h2.54
Layer 3:
  text "INNER LAYER 3" at -1.459,-46.496 h2.54
Bottom Layer:
  text "SECONDARY SIDE - LAYER 4" at -1.52,-46.437 h2.54

## Silkscreen, mask and mechanical layers (free items; w line width, h text height)
Top Silk Screen:
  lines w0.15: 8.7,6.2 9,5.9 9,4.9 ; 9.7,6.2 9.7,3.6 9.9,3.4 ; 12.6,37.6 13.2,37.6 13.4,37.4 16.1,37.4 ; 17.4,37.3 17.5,37.3 ; 31,35.2 31,35.7 31.9,36.6 ; 37.7,-0.1 38.3,-0.7 38.5,-0.7 38.7,-0.7 42.3,-0.7 ; 38.9,81.4 39.1,81.2 39.1,80.1 39.5,79.7 42.2,79.7 ; 44.1,-7.5 44.1,-5.9
  text "VBAT" at 40.554,69.754 h1.52
  text "VBAT_MID" at 12.454,68.208 h1.52
  text "VBAT_MID" at -11.392,53.646 h1.52 r270
  text "BATT_GND" at 67.208,53.646 h1.52 r270
  text "GND" at 24.25,16.65 h1 r270
  text "PRIMARY SIDE SILK SCREEN" at -1.264,-46.564 h2.54
Bottom Silk Screen:
  text "BATT_GND" at 68.892,73.146 h1.52 r90
  text "VBAT_MID" at -10.508,72.446 h1.52 r90
  text "VBAT" at 45.046,69.254 h1.52
  text "VBAT_MID" at 24.346,68.108 h1.52
  text "GHL-1-21002  Rev B" at 28.1,12 h1.5
  text "SECONDARY SIDE SILK SCREEN" at -1.518,-46.564 h2.54
Top Paste:
  text "PRIMARY SIDE SOLDER PASTE" at -1.264,-46.564 h2.54
Bottom Paste:
  text "SECONDARY SIDE SOLDER PASTE" at -1.459,-46.496 h2.54
Top Solder Mask:
  text "PRIMARY SIDE SOLDER MASK" at -1.01,-46.564 h2.54
Bottom Solder Mask:
  text "SECONDARY SIDE SOLDER MASK" at -1.518,-46.564 h2.54
Mechanical 1:
  drawing of 3142 lines, arcs and shapes, not listed
Title_Block:
  text "ODIC, INC." at -1.284,-31.437 h2.54
  text "GHL NAATOS Sample Prep Main Board" at -1.559,-36.149 h2.54
  text "263-03-001  REV B" at -1.52,-41.357 h2.54
Board_Outline:
  lines w0.013: 70.675,91.095 ccw(c64.072,91.095) 64.071,97.699 -6.921,97.699 ccw(c-6.922,91.095) -13.525,91.095 -13.525,24.166 ccw(c-6.922,24.166) -6.922,17.562 -2.921,17.562 cw(c-2.921,17.054) -2.413,17.054 -2.413,0.74 -2.413,-0.74 -2.413,-4.282 cw(c-2.921,-4.282) -2.921,-4.79 -7.683,-4.79 ccw(c-7.683,-10.632) -13.525,-10.632 -13.525,-15.204 ccw(c-7.683,-15.204) -7.683,-21.046 64.833,-21.046 ccw(c64.833,-15.204) 70.675,-15.204 70.675,-10.632 ccw(c64.833,-10.632) 64.833,-4.79 60.071,-4.79 cw(c60.071,-4.282) 59.563,-4.282 59.563,-0.74 59.563,0.74 59.563,17.054 cw(c60.071,17.054) 60.071,17.562 64.072,17.562 ccw(c64.071,24.166) 70.675,24.166 70.675,91.095 ; 70.675,91.095 70.675,91.095
Mechanical 14 - BottomSide:
  drawing of 2677 lines, arcs and shapes, not listed
Mechanical 15 - 092624:
  drawing of 3105 lines, arcs and shapes, not listed
  text "for 10AWG wire thru hole solder" at 67.259,123.332 h3.17

## Text inside footprints (layer, text, board x,y; h text height)
J7: Bottom Assembly "PCB EDGE" at 34.02,96.994 h0.41 r180
U8: Top Silk Screen "1" at 14.695,38.178 h1 r270; Top Assembly "1" at 14.784,37.161 h0.64 r90; Top Assembly "2" at 13.895,37.034 h0.64 r90; Top Assembly "A" at 15.038,38.177 h0.64 r180; Top Assembly "B" at 15.038,39.066 h0.64 r180
U15: Top Silk Screen "1" at 33.2,17.3 h0.9; Top Assembly "B" at 32.211,17.597 h0.64 r270; Top Assembly "A" at 33.1,17.597 h0.64 r270; Top Assembly "2" at 34.243,16.454 h0.64 r180; Top Assembly "1" at 34.116,17.343 h0.64 r180
U17: Top Silk Screen "1" at 44.246,-2.507 h0.8; Top Assembly "1" at 44.362,-1.918 h0.64 r180; Top Assembly "2" at 44.489,-2.807 h0.64 r180; Top Assembly "A" at 43.346,-1.657 h0.64 r270; Top Assembly "B" at 42.457,-1.664 h0.64 r270